# Allegro board 6089-103-RevB_76.brd (continued)
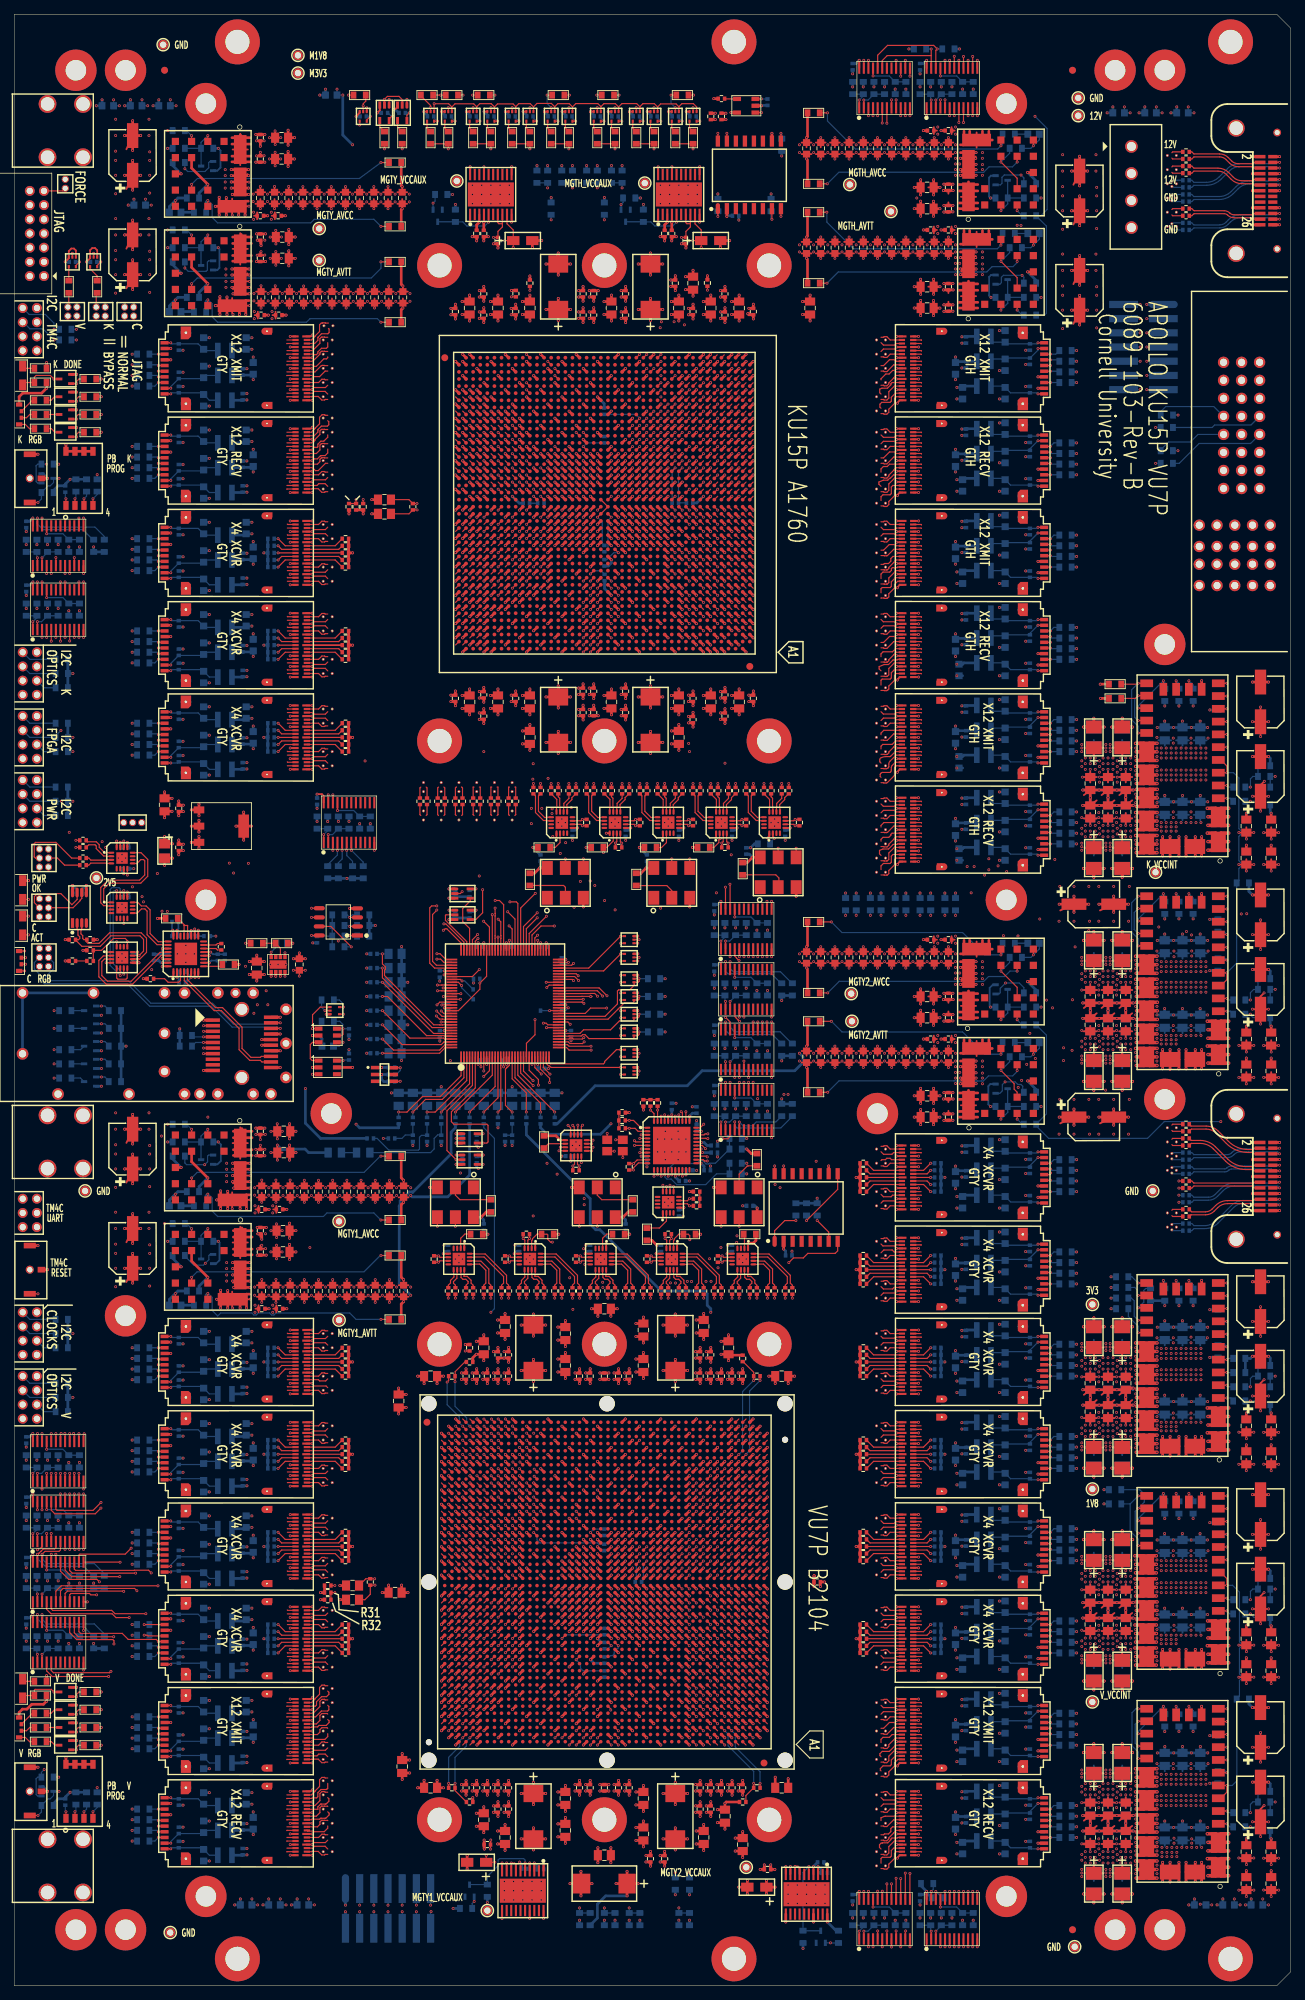
[diagram p0: board, top side]
## Routing (per net, layer and track width the routed paths; a pad name or vN(x,y) marks a point on that pad's centre or on a via; arc(x,y) is an arc through that point) (continued)
N9085638: length 10.3
  TOP w0.165: v1(66.2,123.11) 68.2,125.11 U52.14
  BOTTOM w0.165: R496.2 v1(66.2,123.11) C788.1
N9085714: length 9.6
  TOP w0.165: v1(68.2,123.11) 68.6,123.51 68.6,129.3 68.59,129.31 68.59,129.65 68.6,129.67 U52.15
  BOTTOM w0.165: R494.2 v1(68.2,123.11) C785.1
N9085979: length 11.6
  TOP w0.165: U52.12 67.4,128.31 v1(62.2,123.11)
  BOTTOM w0.165: C802.1 v1(62.2,123.11) R500.2
N9086055: length 10.9
  TOP w0.165: U52.13 67.8,126.71 v1(64.2,123.11)
  BOTTOM w0.165: R497.2 v1(64.2,123.11) C797.1
N9089056: length 11.8
  TOP w0.165: U52.128 60.77,132.2 59.97,131.4 v1(51.91,131.4)
  BOTTOM w0.165: R517.2 v1(51.91,131.4) C821.1
N9089132: length 12.4
  TOP w0.165: U52.127 60.74,132.6 59.98,131.84 53.47,131.84 v1(51.91,133.4)
  BOTTOM w0.165: C820.1 v1(51.91,133.4) R516.2
N9089208: length 12.7
  TOP w0.165: U52.126 60.6,133 60.21,132.62 54.7,132.62 v1(51.91,135.4)
  BOTTOM w0.165: R515.2 v1(51.91,135.4) C819.1
N9089284: length 13.1
  TOP w0.165: v1(51.91,137.4) 55.78,133.53 60.55,133.53 60.68,133.4 U52.125
  BOTTOM w0.165: R514.2 v1(51.91,137.4) C818.1
N9089360: length 13.7
  TOP w0.165: U52.124 60.7,133.8 60.62,133.88 58.13,133.88 52.61,139.4 v1(51.91,139.4)
  BOTTOM w0.165: R513.2 v1(51.91,139.4) C817.1
N9089436: length 14.4
  TOP w0.165: v1(51.91,141.4) 59.12,134.19 61.69,134.19 U52.123
  BOTTOM w0.165: C816.1 v1(51.91,141.4) R512.2
N9090009: length 15.7
  TOP w0.165: v1(51.91,143.4) 51.91,142.02 58.92,135.01 61.69,135.01 U52.121
  BOTTOM w0.165: C815.1 v1(51.91,143.4) R511.2
N9090085: length 17.3
  TOP w0.165: v1(51.91,145.4) 51.91,143.98 52.32,143.57 52.32,143.23 52.2,143.11 52.2,142.35 59.16,135.4 60,135.4 60.01,135.39 60.35,135.39 60.36,135.4 U52.120
  BOTTOM w0.165: R510.2 v1(51.91,145.4) C814.1
N9090161: length 11.1
  TOP w0.165: v1(60.2,123.11) 64.2,127.11 U52.4
  BOTTOM w0.165: C806.1 v1(60.2,123.11) R502.2
N9090237: length 12.4
  TOP w0.165: v1(58.2,123.11) 59.35,123.11 63.8,127.56 U52.3
  BOTTOM w0.165: R504.2 v1(58.2,123.11) C810.1
N9090297: length 11.7
  BOTTOM w0.165: R504.1 R505.1 58.17,119.83 57.4,119.83 57.13,119.56 57.13,117.91 56.97,117.75 52.82,117.75 51.16,119.4 R519.2
N9090313: length 13.8
  TOP w0.165: U52.2 63.4,127.95 60.34,124.89 57.98,124.89 v1(56.2,123.11)
  BOTTOM w0.165: C811.1 v1(56.2,123.11) R506.2
N9090373: length 4.4
  BOTTOM w0.165: R506.1 R507.1 56.17,119.88 55.13,119.88 54.66,119.4 R509.2
N9090389: length 15.2
  TOP w0.165: v1(54.2,123.11) 54.21,123.11 55.37,123.11 57.55,125.28 60.05,125.28 63,128.24 U52.1
  BOTTOM w0.165: R508.2 v1(54.2,123.11) C813.1
N9091494: length 25
  TOP w0.165: v1(100.29,136.44) 100.92,135.8 U93.22 ; U94.18 v1(103.53,127.3)
  SIG3 w0.079: v1(100.29,136.44) 101.2,135.53 101.2,131.4 101.8,130.8 101.8,129.03 v1(103.53,127.3)
  BOTTOM w0.165: R411.1 109.64,132.76 107.98,134.42 101.52,134.42 101.35,134.59 101.35,134.66 100.84,135.16 100.84,135.89 v1(100.29,136.44)
N9091498: length 26.6
  TOP w0.165: U94.17 v1(104.17,127.3) ; U93.23 v1(100.28,135.8)
  SIG1 w0.079: v1(100.28,135.8) 99.28,134.81 99.28,127.02 99.7,126.6 103.47,126.6 v1(104.17,127.3)
  BOTTOM w0.165: R415.1 108.17,132.76 106.89,134.04 100.86,134.04 100.27,134.63 100.27,135.8 v1(100.28,135.8)
N9091502: length 30.7
  TOP w0.165: U92.22 v1(100.92,144.3) ; 102.22,126.2 v1(102.22,127.3)
  SIG1 w0.079: v1(100.92,144.3) 100.92,139.68 101.45,139.15 101.45,134.74 102.06,134.13 102.06,130.14 102.59,129.61 102.59,127.67 v1(102.22,127.3)
  BOTTOM w0.165: R410.1 109.65,141.26 108.03,142.88 101.39,142.88 100.84,143.44 100.84,144.22 v1(100.92,144.3)
N9091508: length 32.6
  TOP w0.165: U94.19 v1(102.88,127.3) ; U92.23 v1(100.28,144.3)
  SIG1 w0.079: v1(102.88,127.3) 102.51,126.93 101.87,126.93 99.8,129 99.8,133.6 100.9,134.7 100.9,136.36 99.86,137.4 99.86,143.88 v1(100.28,144.3)
  BOTTOM w0.165: R414.1 108.1,141.26 106.77,142.59 100.64,142.59 100.27,142.96 100.27,144.3 v1(100.28,144.3)
N9099978: length 174.3
  TOP w0.165: 129.93,12.2 v1(129.93,13.3) ; 5.22,62.6 v1(5.22,63.73)
  SIG1 w0.079: v1(129.93,13.3) 129.93,12.79 128.79,11.65 128.79,6.63 126.4,4.25 113.78,4.25 111.61,6.42 38.28,6.42 27.46,17.24 27.37,17.24 27.17,17.44 27.17,17.53 14.6,30.1 14.6,46.3 13.2,47.7 13.2,54.1 5.22,62.08 v1(5.22,63.73)
  BOTTOM w0.165: R378.1 130.83,12.4 v1(129.93,13.3)
N9099982: length 174.7
  TOP w0.165: U4.4 v1(4.58,63.73) ; 129.28,12.2 v1(129.28,13.3)
  SIG1 w0.079: v1(129.28,13.3) 128.2,12.23 128.2,6.78 126.14,4.71 114.3,4.71 112.08,6.92 40.17,6.92 15,32.1 15,46.71 13.66,48.05 13.66,58.34 7.6,64.4 4.9,64.4 4.58,64.08 v1(4.58,63.73)
  BOTTOM w0.165: v1(129.28,13.3) 129.56,13.59 R382.1
N9099986: length 15.7
  TOP w0.165: U4.7 6.53,61.41 6.33,61.22 4.34,61.22 v1(3.92,60.8) 3.92,59.7
  BOTTOM w0.165: R651.1 12.7,58.09 11.3,59.49 4.58,59.49 4.04,60.04 4.04,60.69 v1(3.92,60.8)
N9099990: length 14.5
  TOP w0.165: U5.23 v1(3.27,60.8) 3.36,60.8 3.51,60.96 3.51,60.97 3.75,61.22 3.77,61.22 4.09,61.54 5.69,61.54 5.88,61.73 U4.6
  BOTTOM w0.165: v1(3.27,60.8) 3.23,60.76 3.23,60.26 4.39,59.09 9.81,59.09 11.14,57.76 R656.1
N9099994: length 23.6
  TOP w0.165: 3.92,51.2 v1(3.92,52.3) ; U4.9 v1(7.83,61.5)
  SIG2 w0.079: v1(3.92,52.3) 3.92,53.78 7.83,57.68 v1(7.83,61.5)
  BOTTOM w0.165: v1(3.92,52.3) 4.04,52.19 4.04,51.54 4.58,50.99 11.3,50.99 12.7,49.59 R652.1
N9099998: length 22.6
  TOP w0.165: U4.8 v1(7.17,61.5) ; U6.23 v1(3.27,52.3)
  SIG2 w0.079: v1(7.17,61.5) 7.17,57.5 3.27,53.6 v1(3.27,52.3)
  BOTTOM w0.165: R657.1 11.14,49.26 10.19,50.22 10.19,50.24 9.95,50.48 9.92,50.48 9.81,50.59 4.39,50.59 3.23,51.76 3.23,52.26 v1(3.27,52.3)
N9105000: length 118.1
  TOP w0.165: U52.49 80.04,138.6 80.05,138.59 80.15,138.59 v1(80.31,138.43)
  SIG2 w0.079: J5.1 2.4,171.1 5.61,171.1 10.91,165.81 22.09,165.81 22.11,165.83 24.63,165.83 24.83,166.03 37.87,166.03 40.74,163.16 73.17,163.16 v1(75.83,165.83)
  SIG3 w0.079: v1(75.83,165.83) 76.31,165.35 76.31,163.24 80.79,158.77 80.79,138.9 80.61,138.72 v1(80.31,138.43)
  BOTTOM w0.165: J5.1 2.2,168.9 R689.1
N9105012: length 109.6
  TOP w0.165: U52.50 v1(80.22,139)
  SIG2 w0.079: v1(75.81,165.18) 73.41,162.77 44.52,162.77 44.51,162.78 43.39,162.78 43.38,162.77 29.13,162.77 28.1,163.8 19.6,163.8 18.26,165.14 8.4,165.14 v1(6.63,166.91)
  SIG3 w0.079: v1(75.81,165.18) 75.81,163.19 76.79,162.21 76.79,161.49 80.58,157.7 80.58,139.36 v1(80.22,139)
  BOTTOM w0.165: J5.3 2.2,166.9 R690.1 6.62,166.9 v1(6.63,166.91)
N9105225: length 130
  TOP w0.165: U52.51 80.04,139.4 80.05,139.41 81.44,139.41 81.44,139.38 v1(81.28,139.38)
  SIG3 w0.079: v1(81.28,139.38) 81.44,139.38 81.44,139.41 81.78,139.07 81.78,119.99 82,119.77 82,107.69 80.28,105.97 80.28,104.52 80.25,104.49 80.25,104.21 80.28,104.18 v1(80.28,103.86)
  SIG4 w0.079: v1(80.28,103.86) 59.66,103.86 57.8,102 34.73,102 34.08,102.65 13.34,102.65 7.17,96.47 2.77,96.47 J7.1
  BOTTOM w0.165: J7.1 2.2,93.9 R692.1
N9105241: length 132.7
  TOP w0.165: v1(82.23,139.44) 81.84,139.83 81.27,139.83 81.24,139.8 U52.52
  SIG3 w0.079: v1(82.23,139.44) 82.23,107.51 82.64,107.1 82.64,103.85 v1(80.44,101.65)
  SIG4 w0.079: J7.3 2.3,94 8.7,94 14.16,99.46 27.45,99.46 29.38,101.39 33.39,101.39 33.69,101.1 79.89,101.1 v1(80.44,101.65)
  BOTTOM w0.165: R693.1 2.2,91.9 J7.3
N9105393: length 139.9
  TOP w0.165: v1(82.95,139.46) 82.21,140.2 U52.53
  SIG3 w0.079: v1(82.95,139.46) 82.95,138 82.95,138 82.95,137.52 82.95,137.52 82.95,106.14 83.79,105.31 83.79,99.97 v1(82.95,99.13)
  SIG4 w0.079: J8.1 3.2,87.9 27.34,87.9 27.37,87.87 27.65,87.87 27.69,87.9 31.5,87.9 38.9,95.3 62.58,95.3 63.81,96.52 63.85,96.52 64.07,96.74 64.07,96.79 66.24,98.96 81.98,98.96 82.16,99.13 v1(82.95,99.13)
  BOTTOM w0.165: J8.1 2.2,84.9 R695.1
N9105409: length 143.3
  TOP w0.165: v1(83.57,139.5) 82.47,140.6 U52.54
  SIG3 w0.079: v1(83.57,139.5) 83.23,139.16 83.23,137.99 83.16,137.91 83.16,137.61 83.23,137.53 83.23,106.77 84.6,105.4 84.6,100 v1(82.98,98.39)
  SIG4 w0.079: J8.3 2.19,84.89 21.76,84.89 21.92,84.73 31.13,84.73 38.1,91.7 38.1,92.4 40.4,94.7 65.6,94.7 69.29,98.39 v1(82.98,98.39)
  BOTTOM w0.165: R696.1 2.2,82.9 J8.3
N9105783: length 122.6
  TOP w0.165: U52.55 75.42,141 v1(75.08,140.66)
  SIG2 w0.079: v1(75.27,170.12) 73.53,170.12 73.27,170.38 72.96,170.38 72.7,170.12 72.34,170.12 72.3,170.09 72.23,170.16 37.31,170.16 33.18,174.29 19.75,174.29 13.19,180.85 13.19,185.64 10.06,188.76 2.06,188.76 J3.1
  SIG3 w0.079: v1(75.08,140.66) 76.6,142.19 76.6,159.1 75.27,160.44 v1(75.27,170.12)
  BOTTOM w0.165: J3.1 2.2,186.9 R683.1
N9105799: length 119.1
  TOP w0.165: U52.56 v1(75,141.4)
  SIG2 w0.079: J3.3 2.06,186.76 10.69,186.76 12.6,184.85 12.6,180.84 16.7,176.74 16.77,176.74 19.98,173.53 22.73,173.53 23.26,173 27.2,173 30.24,169.96 71.37,169.96 71.79,169.53 72.63,169.53 v1(73.11,170.01)
  SIG3 w0.079: v1(75,141.4) 75.34,141.74 75.34,150.49 75.4,150.55 75.4,150.85 75.34,150.91 75.34,159.36 75,159.7 75,169.29 74.28,170.01 v1(73.11,170.01)
  BOTTOM w0.165: J3.3 2.2,184.9 R684.1
N9105863: length 117.2
  TOP w0.165: U52.40 v1(75.04,135)
  SIG2 w0.079: v1(74.38,165.9) 73.42,166.87 53.02,166.87 50.98,168.9 22,168.9 11.14,179.76 2.06,179.76 J4.1
  SIG3 w0.079: v1(75.04,135) 75.04,140.03 74.54,140.53 74.54,165.74 v1(74.38,165.9)
  BOTTOM w0.165: R686.1 2.2,177.9 J4.1
N9105879: length 110.7
  TOP w0.165: v1(74.6,135.63) 74.99,135.63 75.22,135.4 U52.41
  SIG2 w0.079: v1(6.59,176.88) 10.83,176.88 15.11,172.6 17.7,172.6 21.7,168.6 50.57,168.6 52.64,166.53 72.28,166.53 v1(72.91,165.9)
  SIG3 w0.079: v1(74.6,135.63) 74.6,136.5 73.2,137.9 73.2,153.65 73.09,153.77 73.09,154.07 73.2,154.19 73.2,159.99 73.54,160.33 73.54,165.25 72.91,165.88 v1(72.91,165.9)
  BOTTOM w0.165: J4.3 2.2,175.9 R687.1 5.84,176.13 v1(6.59,176.88)
N9156413: length 144.1
  TOP w0.165: v1(65.38,147.56) 65,147.18 U52.91 ; U35.6 v1(41.92,150.53)
  SIG2 w0.079: v1(65.38,147.56) 47.68,147.56 46.77,146.65 45.45,146.65 41.92,150.18 v1(41.92,150.53) 25.16,150.53 22.23,153.46 v1(18.02,153.46)
  SIG4 w0.079: v1(18.02,153.46) 18.02,153.47 18.64,154.09 18.64,196.76 8.76,206.65 8.76,208.97 9.69,209.91 9.69,229.86 5.78,233.77 5.59,233.77 3.2,236.16 J2.2
N9156417: length 145
  TOP w0.165: U35.5 v1(41.92,151.83) ; U52.92 64.6,147.39 v1(65.33,148.12)
  SIG2 w0.079: v1(65.33,148.12) 47.95,148.12 46.68,146.86 45.54,146.86 45.32,147.07 45.32,147.65 41.92,151.06 v1(41.92,151.83) 32.27,151.83 28.8,155.3 17.12,155.3 v1(16.66,154.84)
  SIG4 w0.079: J2.4 3.65,234.4 9.17,228.88 9.17,210.65 7.98,209.47 7.98,205.32 15.6,197.7 15.6,165.02 14,163.42 14,157.51 v1(16.66,154.84)
N9281329: length 3.9
  TOP w0.165: U65.AJ24 v1(80.23,216.87)
  BOTTOM w0.165: R469.2 80.75,217.4 v1(80.23,216.87)
N9281788: length 2.8
  TOP w0.165: U66.AK25 v1(81.24,63.87)
  BOTTOM w0.165: R473.2 81.72,64.35 v1(81.24,63.87)
N9328942: length 37.2
  TOP w0.165: U65.AA22 v1(82.23,207.93) ; v1(48.2,209.41) R69.2 R68.1
  SIG2 w0.079: v1(48.2,209.41) 49.21,208.4 57.23,208.4 58.07,207.55 81.83,207.55 82.21,207.93 v1(82.23,207.93)
N9329074: length 36.9
  TOP w0.165: R71.2 v1(49.2,209.41) ; U65.AB21 v1(84.17,209.87)
  SIG2 w0.079: v1(49.2,209.41) 50.04,210.25 54.49,210.25 54.73,210.49 83.56,210.49 v1(84.17,209.87)
N9329322: length 39.6
  TOP w0.165: U65.Y21 v1(84.17,206.93) ; L3.2 55.65,209.4 C91.1 v1(56.78,208.85)
  SIG2 w0.079: 56.94,208.78 57.01,208.85 ; 57.01,208.85 58.44,210.28 81.11,210.28 81.17,210.22 81.37,210.22 81.57,210.02 81.57,209.81 84.17,207.21 v1(84.17,206.93) ; 57.01,208.85 v1(56.78,208.85)
  BOTTOM w0.165: v1(84.17,206.93) 83.71,206.47 83.71,202.56 C90.1
N9329407: length 37.6
  TOP w0.165: v1(56.8,207.95) C91.2 55.65,207.4 L4.2 ; v1(82.23,206.93) U65.Y22 U65.AA21 U65.AB22
  SIG2 w0.079: v1(82.23,206.93) 82.22,206.93 81.8,207.34 57.51,207.34 56.91,207.95 v1(56.8,207.95)
  BOTTOM w0.165: C90.2 82.9,203.25 82.9,206.25 v1(82.23,206.93)
N9443232: length 44.8
  TOP w0.165: v1(50.81,57.35) C73.1 49.56,57.35 L1.2 ; U66.AF19 v1(88.16,59.85)
  SIG3 w0.079: v1(88.16,59.85) 87.71,59.4 74.3,59.4 73.38,58.48 52.94,58.48 51.81,57.35 v1(50.81,57.35)
  BOTTOM w0.165: v1(88.16,59.85) 87.7,59.39 87.7,57.51 87.55,57.36 C78.1
N9443288: length 51.6
  TOP w0.165: v1(50.86,56.45) C73.2 50.2,55.16 49.44,54.4 L2.2 ; U66.AG18 v1(89.18,60.87) ; U66.AF18 v1(89.18,59.85) ; U66.AH19 v1(88.16,61.86)
  SIG1 w0.079: v1(88.16,61.86) 88.19,61.86 v1(89.18,60.87) v1(89.18,59.85)
  SIG3 w0.079: v1(50.86,56.45) 51.81,56.45 53.61,58.25 88.14,58.25 88.75,58.87 88.75,59.43 v1(89.18,59.85)
  BOTTOM w0.165: C78.2 88.45,56.99 88.69,57.23 88.69,59.37 v1(89.18,59.85)
N9443392: length 47.4
  TOP w0.165: v1(45.21,55.4) R31.2 R32.1 ; U66.AG19 v1(88.16,60.87)
  SIG3 w0.079: v1(88.16,60.87) 87.71,60.41 74.61,60.41 73.45,59.25 50.1,59.25 46.24,55.39 45.22,55.39 v1(45.21,55.4)
N9443404: length 47.5
  TOP w0.165: U66.AH18 v1(89.18,61.86) ; R30.2 v1(45.21,56.4)
  SIG3 w0.079: v1(45.21,56.4) 48.35,59.54 60.06,59.54 60.11,59.48 73.18,59.48 75.09,61.39 88.32,61.39 88.79,61.86 v1(89.18,61.86)
N9493741: length 3.2
  TOP w0.165: U35.3 v1(47.3,150.53)
  BOTTOM w0.165: R530.1 46.94,150.9 v1(47.3,150.53) 47.67,150.9 R521.2
N9493817: length 3
  TOP w0.165: 48.39,149.26 v1(47.3,149.26)
  BOTTOM w0.165: R522.2 47.44,149.4 v1(47.3,149.26) 47.17,149.4 R531.1
N9493893: length 2.9
  TOP w0.165: U35.1 v1(47.3,148)
  BOTTOM w0.165: R523.2 47.4,147.9 v1(47.3,148) 47.21,147.9 R532.1
N9543401: length 6.1
  TOP w0.165: U91.21 v1(101.58,150.6)
  BOTTOM w0.165: v1(101.58,150.6) 103.87,150.6 R423.1 R418.2
N9543477: length 4.4
  TOP w0.165: U91.2 v1(100.28,147.2)
  BOTTOM w0.165: v1(100.28,147.2) 100.87,147.2 R431.1 R427.2
N9543553: length 3.7
  TOP w0.165: U91.1 v1(99.62,147.2)
  BOTTOM w0.165: R444.1 R439.2 100.2,147.78 v1(99.62,147.2)
N9544090: length 6.1
  TOP w0.165: U94.21 v1(101.58,125.1)
  BOTTOM w0.165: v1(101.58,125.1) 103.87,125.1 R426.1 R421.2
N9544166: length 4.4
  TOP w0.165: U94.2 v1(100.28,121.7)
  BOTTOM w0.165: v1(100.28,121.7) 100.87,121.7 R434.1 R430.2
N9544242: length 3.7
  TOP w0.165: U94.1 v1(99.62,121.7)
  BOTTOM w0.165: v1(99.62,121.7) 100.2,122.28 R442.2 R447.1
N9547158: length 3.8
  TOP w0.165: U92.3 v1(100.92,138.7)
  BOTTOM w0.165: v1(100.92,138.7) 101.7,139.48 R432.1 R428.2
N9547234: length 3.5
  TOP w0.165: U92.2 v1(100.28,138.7)
  BOTTOM w0.165: v1(100.28,138.7) 100.2,138.78 R440.2 R445.1
N9547310: length 6.1
  TOP w0.165: U92.21 v1(101.58,142.1)
  BOTTOM w0.165: R419.2 R424.1 103.87,142.1 v1(101.58,142.1)
N9547925: length 3.8
  TOP w0.165: U93.3 v1(100.92,130.2)
  BOTTOM w0.165: v1(100.92,130.2) 101.7,130.98 R433.1 R429.2
N9548001: length 3.5
  TOP w0.165: U93.2 v1(100.28,130.2)
  BOTTOM w0.165: R446.1 R441.2 100.2,130.28 v1(100.28,130.2)
N9548077: length 6.1
  TOP w0.165: U93.21 v1(101.58,133.6)
  BOTTOM w0.165: R420.2 R425.1 103.87,133.6 v1(101.58,133.6)
N9548614: length 6.1
  TOP w0.165: U36.21 v1(45.58,165.6)
  BOTTOM w0.165: R518.2 R525.1 47.87,165.6 v1(45.58,165.6)
N9548690: length 4.4
  TOP w0.165: U36.2 v1(44.27,162.2)
  BOTTOM w0.165: v1(44.27,162.2) 44.87,162.2 R528.1 R527.2
N9548766: length 3.7
  TOP w0.165: U36.1 v1(43.62,162.2)
  BOTTOM w0.165: v1(43.62,162.2) 44.2,162.78 R535.2 R539.1
N9549273: length 6.1
  TOP w0.165: U100.21 v1(121.08,269.1)
  BOTTOM w0.165: R387.2 R390.1 123.37,269.1 v1(121.08,269.1)
N9549349: length 4.4
  TOP w0.165: U100.2 v1(119.78,265.7)
  BOTTOM w0.165: R393.2 R396.1 120.37,265.7 v1(119.78,265.7)
N9549425: length 3.7
  TOP w0.165: U100.1 v1(119.12,265.7)
  BOTTOM w0.165: R402.1 R399.2 119.7,266.28 v1(119.12,265.7)
N9549980: length 6.1
  TOP w0.165: U2.21 v1(4.58,195.6)
  BOTTOM w0.165: R661.2 R669.1 6.87,195.6 v1(4.58,195.6)
N9550056: length 4.4
  TOP w0.165: U2.2 v1(3.27,192.2)
  BOTTOM w0.165: R699.2 R707.1 3.87,192.2 v1(3.27,192.2)
N9550132: length 3.7
  TOP w0.165: U2.1 v1(2.62,192.2)
  BOTTOM w0.165: R721.1 R715.2 3.2,192.78 v1(2.62,192.2)
N9550687: length 3.8
  TOP w0.165: 3.92,200.1 v1(3.92,201.2)
  BOTTOM w0.165: R698.2 R706.1 4.7,201.98 v1(3.92,201.2)
N9550763: length 3.5
  TOP w0.165: U1.2 v1(3.27,201.2)
  BOTTOM w0.165: R720.1 R714.2 3.2,201.28 v1(3.27,201.2)
N9550839: length 6.1
  TOP w0.165: U1.21 v1(4.58,204.6)
  BOTTOM w0.165: v1(4.58,204.6) 6.87,204.6 R668.1 R660.2
N9551394: length 3.8
  TOP w0.165: 129.93,264.6 v1(129.93,265.7)
  BOTTOM w0.165: R342.2 R346.1 130.7,266.48 v1(129.93,265.7)
N9551470: length 3.5
  TOP w0.165: 129.28,264.6 v1(129.28,265.7)
  BOTTOM w0.165: v1(129.28,265.7) 129.2,265.78 R379.2 R384.1
N9551546: length 6.1
  TOP w0.165: U102.21 v1(130.57,269.1)
  BOTTOM w0.165: v1(130.57,269.1) 132.87,269.1 R339.1 R337.2
N9552131: length 6.1
  TOP w0.165: U101.21 v1(121.08,11.1)
  BOTTOM w0.165: R389.2 R392.1 123.37,11.1 v1(121.08,11.1)
N9552207: length 4.4
  TOP w0.165: U101.2 v1(119.78,7.7)
  BOTTOM w0.165: R394.2 R397.1 120.37,7.7 v1(119.78,7.7)
N9552283: length 3.7
  TOP w0.165: U101.1 v1(119.12,7.7)
  BOTTOM w0.165: v1(119.12,7.7) 119.7,8.28 R400.2 R403.1
N9552898: length 6.1
  TOP w0.165: U3.21 v1(4.58,75.6)
  BOTTOM w0.165: R662.2 R670.1 6.87,75.6 v1(4.58,75.6)
N9552974: length 4.4
  TOP w0.165: U3.2 v1(3.27,72.2)
  BOTTOM w0.165: R700.2 R708.1 3.87,72.2 v1(3.27,72.2)
N9553050: length 3.7
  TOP w0.165: U3.1 v1(2.62,72.2)
  BOTTOM w0.165: R722.1 R716.2 3.2,72.78 v1(2.62,72.2)
N9553665: length 6.1
  TOP w0.165: U4.21 v1(4.58,67.1)
  BOTTOM w0.165: v1(4.58,67.1) 6.87,67.1 R671.1 R663.2
N9553741: length 4.4
  TOP w0.165: U4.2 v1(3.27,63.7)
  BOTTOM w0.165: v1(3.27,63.7) 3.87,63.7 R709.1 R701.2
N9553817: length 3.7
  TOP w0.165: U4.1 v1(2.62,63.7)
  BOTTOM w0.165: R723.1 R717.2 3.2,64.28 v1(2.62,63.7)
N9554432: length 3.8
  TOP w0.165: 3.92,45.6 v1(3.92,46.7)
  BOTTOM w0.165: R703.2 R711.1 4.7,47.48 v1(3.92,46.7)
N9554508: length 3.5
  TOP w0.165: U6.2 v1(3.27,46.7)
  BOTTOM w0.165: v1(3.27,46.7) 3.2,46.78 R719.2 R725.1
N9554584: length 6.1
  TOP w0.165: U6.21 v1(4.58,50.1)
  BOTTOM w0.165: v1(4.58,50.1) 6.87,50.1 R673.1 R665.2
N9555199: length 3.8
  TOP w0.165: 3.92,54.1 v1(3.92,55.2)
  BOTTOM w0.165: R702.2 R710.1 4.7,55.98 v1(3.92,55.2)
N9555275: length 3.5
  TOP w0.165: U5.2 v1(3.27,55.2)
  BOTTOM w0.165: R724.1 R718.2 3.2,55.28 v1(3.27,55.2)
N9555351: length 6.1
  TOP w0.165: U5.21 v1(4.58,58.6)
  BOTTOM w0.165: v1(4.58,58.6) 6.87,58.6 R672.1 R664.2
N9555966: length 3.8
  TOP w0.165: 129.93,6.6 v1(129.93,7.7)
  BOTTOM w0.165: R343.2 R347.1 130.7,8.48 v1(129.93,7.7)
N9556042: length 3.5
  TOP w0.165: 129.28,6.6 v1(129.28,7.7)
  BOTTOM w0.165: v1(129.28,7.7) 129.2,7.78 R381.2 R386.1
N9556118: length 6.1
  TOP w0.165: U103.21 v1(130.57,11.1)
  BOTTOM w0.165: R338.2 R340.1 132.87,11.1 v1(130.57,11.1)
N9709492: length 11.7
  TOP w0.165: U52.115 62.62,137.4 65.65,140.43 v1(65.65,141.29) 66.6,142.24 U52.87
  BOTTOM w0.165: C791.1 v1(65.65,141.29)
N9710360: length 17.1
  TOP w0.165: U39.6 v1(54.42,129.35) ; U52.9 v1(66.2,128.91)
  SIG2 w0.079: v1(66.2,128.91) 54.87,128.91 v1(54.42,129.35)
  BOTTOM w0.165: C823.1 53.85,128.4 54.42,128.97 54.42,129.35 v1(54.42,129.35) 54.37,129.4 C822.1
N9765111: length 1.9
  TOP w0.165: v1(107.17,161.68) 107.14,161.68 107.02,161.79 107.02,161.86 106.95,161.93 U96.2
  BOTTOM w0.165: v1(107.17,161.68) 106.56,161.08 R422.2
N9765236: length 3
  TOP w0.165: U58.2 76.95,161.07 76.28,160.4 R104.2
N9820302: length 4.9
  TOP w0.165: X1.4 v1(85.8,116.7) ; U81.7 v1(88.38,117.9)
  SIG1 w0.079: v1(88.38,117.9) 87,117.9 v1(85.8,116.7)
N9820304: length 6.9
  TOP w0.165: U81.4 v1(88.19,119.4) ; X1.2 v1(83.6,120.1)
  SIG1 w0.079: v1(83.6,120.1) 83.61,120.11 87.48,120.11 v1(88.19,119.4)
N9820320: length 2
  TOP w0.165: R139.2 R138.1 C250.1
N9820342: length 2.2
  TOP w0.165: R120.1 85.25,121.93 C205.1
N9820352: length 2
  TOP w0.165: C216.1 R129.1 R131.2
N9820544: length 4.3
  TOP w0.165: R126.1 89.21,106.78 90.97,106.78 91.95,107.75 U80.2
N9820548: length 3.3
  TOP w0.165: U61.2 75.31,118.65 R105.1
N9826228: length 12.7
  TOP w0.165: U81.15 v1(91.7,114.27)
  BOTTOM w0.165: R437.2 R438.1 100.83,114.41 99,114.41 97.49,112.89 93.41,112.89 92.63,113.67 92.03,113.67 91.7,114 v1(91.7,114.27)
N9826304: length 13.6
  TOP w0.165: U81.16 v1(92.2,114.08)
  BOTTOM w0.165: v1(92.2,114.08) 92.2,115.06 93,115.86 96.23,115.86 96.67,116.3 97.04,116.3 97.53,115.8 97.9,115.8 97.99,115.9 98.83,115.9 R436.1 R435.2
N9927204: length 7.8
  TOP w0.165: U32.1 v1(42.04,134.87) 42.06,134.88 42.06,136.82 43.14,137.9 44.52,137.9
  BOTTOM w0.165: v1(42.04,134.87) 42.05,134.86 42.79,134.86 43.34,135.41 R538.1
N9928179: length 103.5
  TOP w0.165: v1(80.36,133) 80.12,132.76 78.34,132.76 78.1,133 U52.35
  SIG3 w0.079: v1(80.36,110.92) 80.7,111.27 80.7,132.66 v1(80.36,133)
  SIG4 w0.079: J6.2 28.23,110.9 28.43,111.09 33.44,111.09 33.64,110.9 80.33,110.9 v1(80.36,110.92)
N9929570: length 2.6
  BOTTOM w0.165: R493.1 R492.2 R491.1
N9935962: length 6.3
  TOP w0.165: U82.2 92.7,154.32 92,155.02 87.72,155.02 R124.1
N9936224: length 3
  TOP w0.165: U79.2 91.95,161.07 91.25,160.38 90.58,160.38 R128.2
N9938016: length 4.9
  TOP w0.165: U88.2 102.2,114.36 103.35,115.51 103.43,115.51 103.46,115.54 R149.1
N9938106: length 6.4
  TOP w0.165: U43.2 62.2,111.4 62.84,110.76 R96.1
N9938218: length 2
  TOP w0.165: U89.2 102.95,105.79 R148.2
N9938224: length 3.1
  TOP w0.165: U44.2 62.95,105.33 63.55,105.92 64.31,105.92 R93.2
N9938240: length 6.4
  TOP w0.165: R122.1 82.84,110.76 82.2,111.4 U63.2
N9938302: length 3.1
  TOP w0.165: R118.2 84.31,105.92 83.55,105.92 82.95,105.33 U64.2
N11055006: length 8
  TOP w0.165: U20.1 v1(22.07,231.5)
  BOTTOM w0.165: v1(22.07,231.5) 22.22,231.35 C920.1 25.94,231.35 C884.1 26.89,230.4 L47.2
N11055236: length 8
  TOP w0.165: U20.10 v1(22.07,224.3)
  BOTTOM w0.165: L49.2 27.51,223.4 C886.1 26.46,224.45 C922.1 22.22,224.45 v1(22.07,224.3)
N11055432: length 8.4
  TOP w0.165: U20.9 v1(22.07,225.1)
  BOTTOM w0.165: L48.2 27.01,226.9 C885.1 26.56,226.45 C921.1 22.07,225.32 v1(22.07,225.1)
N11056482: length 8
  TOP w0.165: U21.1 v1(22.07,218.5)
  BOTTOM w0.165: v1(22.07,218.5) 22.22,218.35 C923.1 25.94,218.35 C887.1 26.89,217.4 L50.2
N11056704: length 8
  TOP w0.165: U21.10 v1(22.07,211.3)
  BOTTOM w0.165: v1(22.07,211.3) 22.22,211.45 C925.1 26.46,211.45 C889.1 27.51,210.4 L52.2
N11056904: length 8.4
  TOP w0.165: U21.9 v1(22.07,212.1)
  BOTTOM w0.165: v1(22.07,212.1) 22.07,212.32 C924.1 26.56,213.45 C888.1 27.01,213.9 L51.2
N11063907: length 8
  TOP w0.165: U29.1 v1(22.07,39.5)
  BOTTOM w0.165: L74.2 26.89,38.4 C911.1 25.94,39.35 C947.1 22.22,39.35 v1(22.07,39.5)
N11064137: length 8
  TOP w0.165: U29.10 v1(22.07,32.3)
  BOTTOM w0.165: L76.2 27.51,31.4 C913.1 26.46,32.45 C949.1 22.22,32.45 v1(22.07,32.3)
N11064333: length 8.4
  TOP w0.165: U29.9 v1(22.07,33.1)
  BOTTOM w0.165: L75.2 27.01,34.9 C912.1 26.56,34.45 C948.1 22.07,33.32 v1(22.07,33.1)
N11065383: length 8
  TOP w0.165: U30.1 v1(22.07,26.5)
  BOTTOM w0.165: v1(22.07,26.5) 22.22,26.35 C950.1 25.94,26.35 C914.1 26.89,25.4 L77.2
N11065605: length 8
  TOP w0.165: U30.10 v1(22.07,19.3)
  BOTTOM w0.165: L79.2 27.51,18.4 C916.1 26.46,19.45 C952.1 22.22,19.45 v1(22.07,19.3)
N11065805: length 8.4
  TOP w0.165: U30.9 v1(22.07,20.1)
  BOTTOM w0.165: v1(22.07,20.1) 22.07,20.32 C951.1 26.56,21.45 C915.1 27.01,21.9 L78.2
N11070843: length 8
  TOP w0.165: U116.1 v1(144.33,32.3)
  BOTTOM w0.165: v1(144.33,32.3) 143.35,32.3 C621.1 140.46,32.45 C663.1 139.51,33.4 L43.2
N11071073: length 8.4
  TOP w0.165: U116.10 v1(144.33,39.5)
  BOTTOM w0.165: L41.2 137.7,39.75 137.87,39.59 C661.1 139.94,39.35 C619.1 144.18,39.35 v1(144.33,39.5)
N11071269: length 8.4
  TOP w0.165: U116.9 v1(144.33,38.7)
  BOTTOM w0.165: v1(144.33,38.7) 143.2,37.57 C620.1 139.84,37.35 C662.1 138.01,37.21 L42.2
N11072315: length 8
  TOP w0.165: U117.1 v1(144.33,19.3)
  BOTTOM w0.165: L46.2 139.51,20.4 C666.1 140.46,19.45 C624.1 143.35,19.3 v1(144.33,19.3)
N11072537: length 8.4
  TOP w0.165: U117.10 v1(144.33,26.5)
  BOTTOM w0.165: L44.2 137.7,26.75 137.87,26.59 C664.1 139.94,26.35 C622.1 144.18,26.35 v1(144.33,26.5)
N11072737: length 8.4
  TOP w0.165: U117.9 v1(144.33,25.7)
  BOTTOM w0.165: L45.2 138.01,24.21 C665.1 139.84,24.35 C623.1 143.2,24.57 v1(144.33,25.7)
N11271566: length 110.3
  TOP w0.165: U52.45 76.71,137.01 80.5,137.01 81.25,137.76 v1(83.53,137.76)
  SIG2 w0.079: v1(83.23,152.91) 73.81,152.91 73.1,153.62 63.12,153.62 62.8,153.94 61.02,153.94 60.27,154.69 47.51,154.69 43.44,158.76 22.92,158.76 22.45,159.23 15.87,159.23 13.33,161.77 6.55,161.77 3.56,164.76 3.11,164.76 2.34,165.54 2.34,165.7 2.13,165.9 J5.5
  SIG3 w0.079: v1(83.23,152.91) 83.94,152.2 83.94,138.17 v1(83.53,137.76)
N11273195: length 126.3
  TOP w0.165: v1(78.84,141.63) 78.67,141.8 U52.57
  SIG3 w0.079: v1(78.84,141.63) 78.84,133.29 78.84,133.29 78.84,126.24 77.35,124.75 77.35,118.31 77.62,118.04 77.62,107.67 78.31,106.98 v1(78.31,99.75)
  SIG4 w0.079: J7.5 2.06,91.76 3.52,91.76 4.04,92.28 18.57,92.28 22.3,96 31.4,96 33.24,97.84 34.14,97.84 36.4,100.1 65.4,100.1 65.6,100.3 77.77,100.3 v1(78.31,99.75)
N11273246: length 135.7
  TOP w0.165: v1(79.56,141.66) 79.02,142.2 U52.58
  SIG3 w0.079: v1(78.76,95.31) 78.91,95.31 79.12,95.52 79.12,114.22 77.93,115.41 77.93,120.86 77.71,121.08 77.71,121.68 79.56,123.53 v1(79.56,141.66)
  SIG4 w0.079: v1(78.76,95.31) 77.91,95.31 76.3,93.7 71.4,93.7 70.4,92.7 43,92.7 41.2,90.9 41.2,90.1 37.58,86.48 37.58,85.75 33.73,81.9 4.42,81.9 3.56,82.76 2.06,82.76 J8.5
